# Altium PCB vme64x6U_ctrlc.PcbDoc (part 11 of 18) (continued)
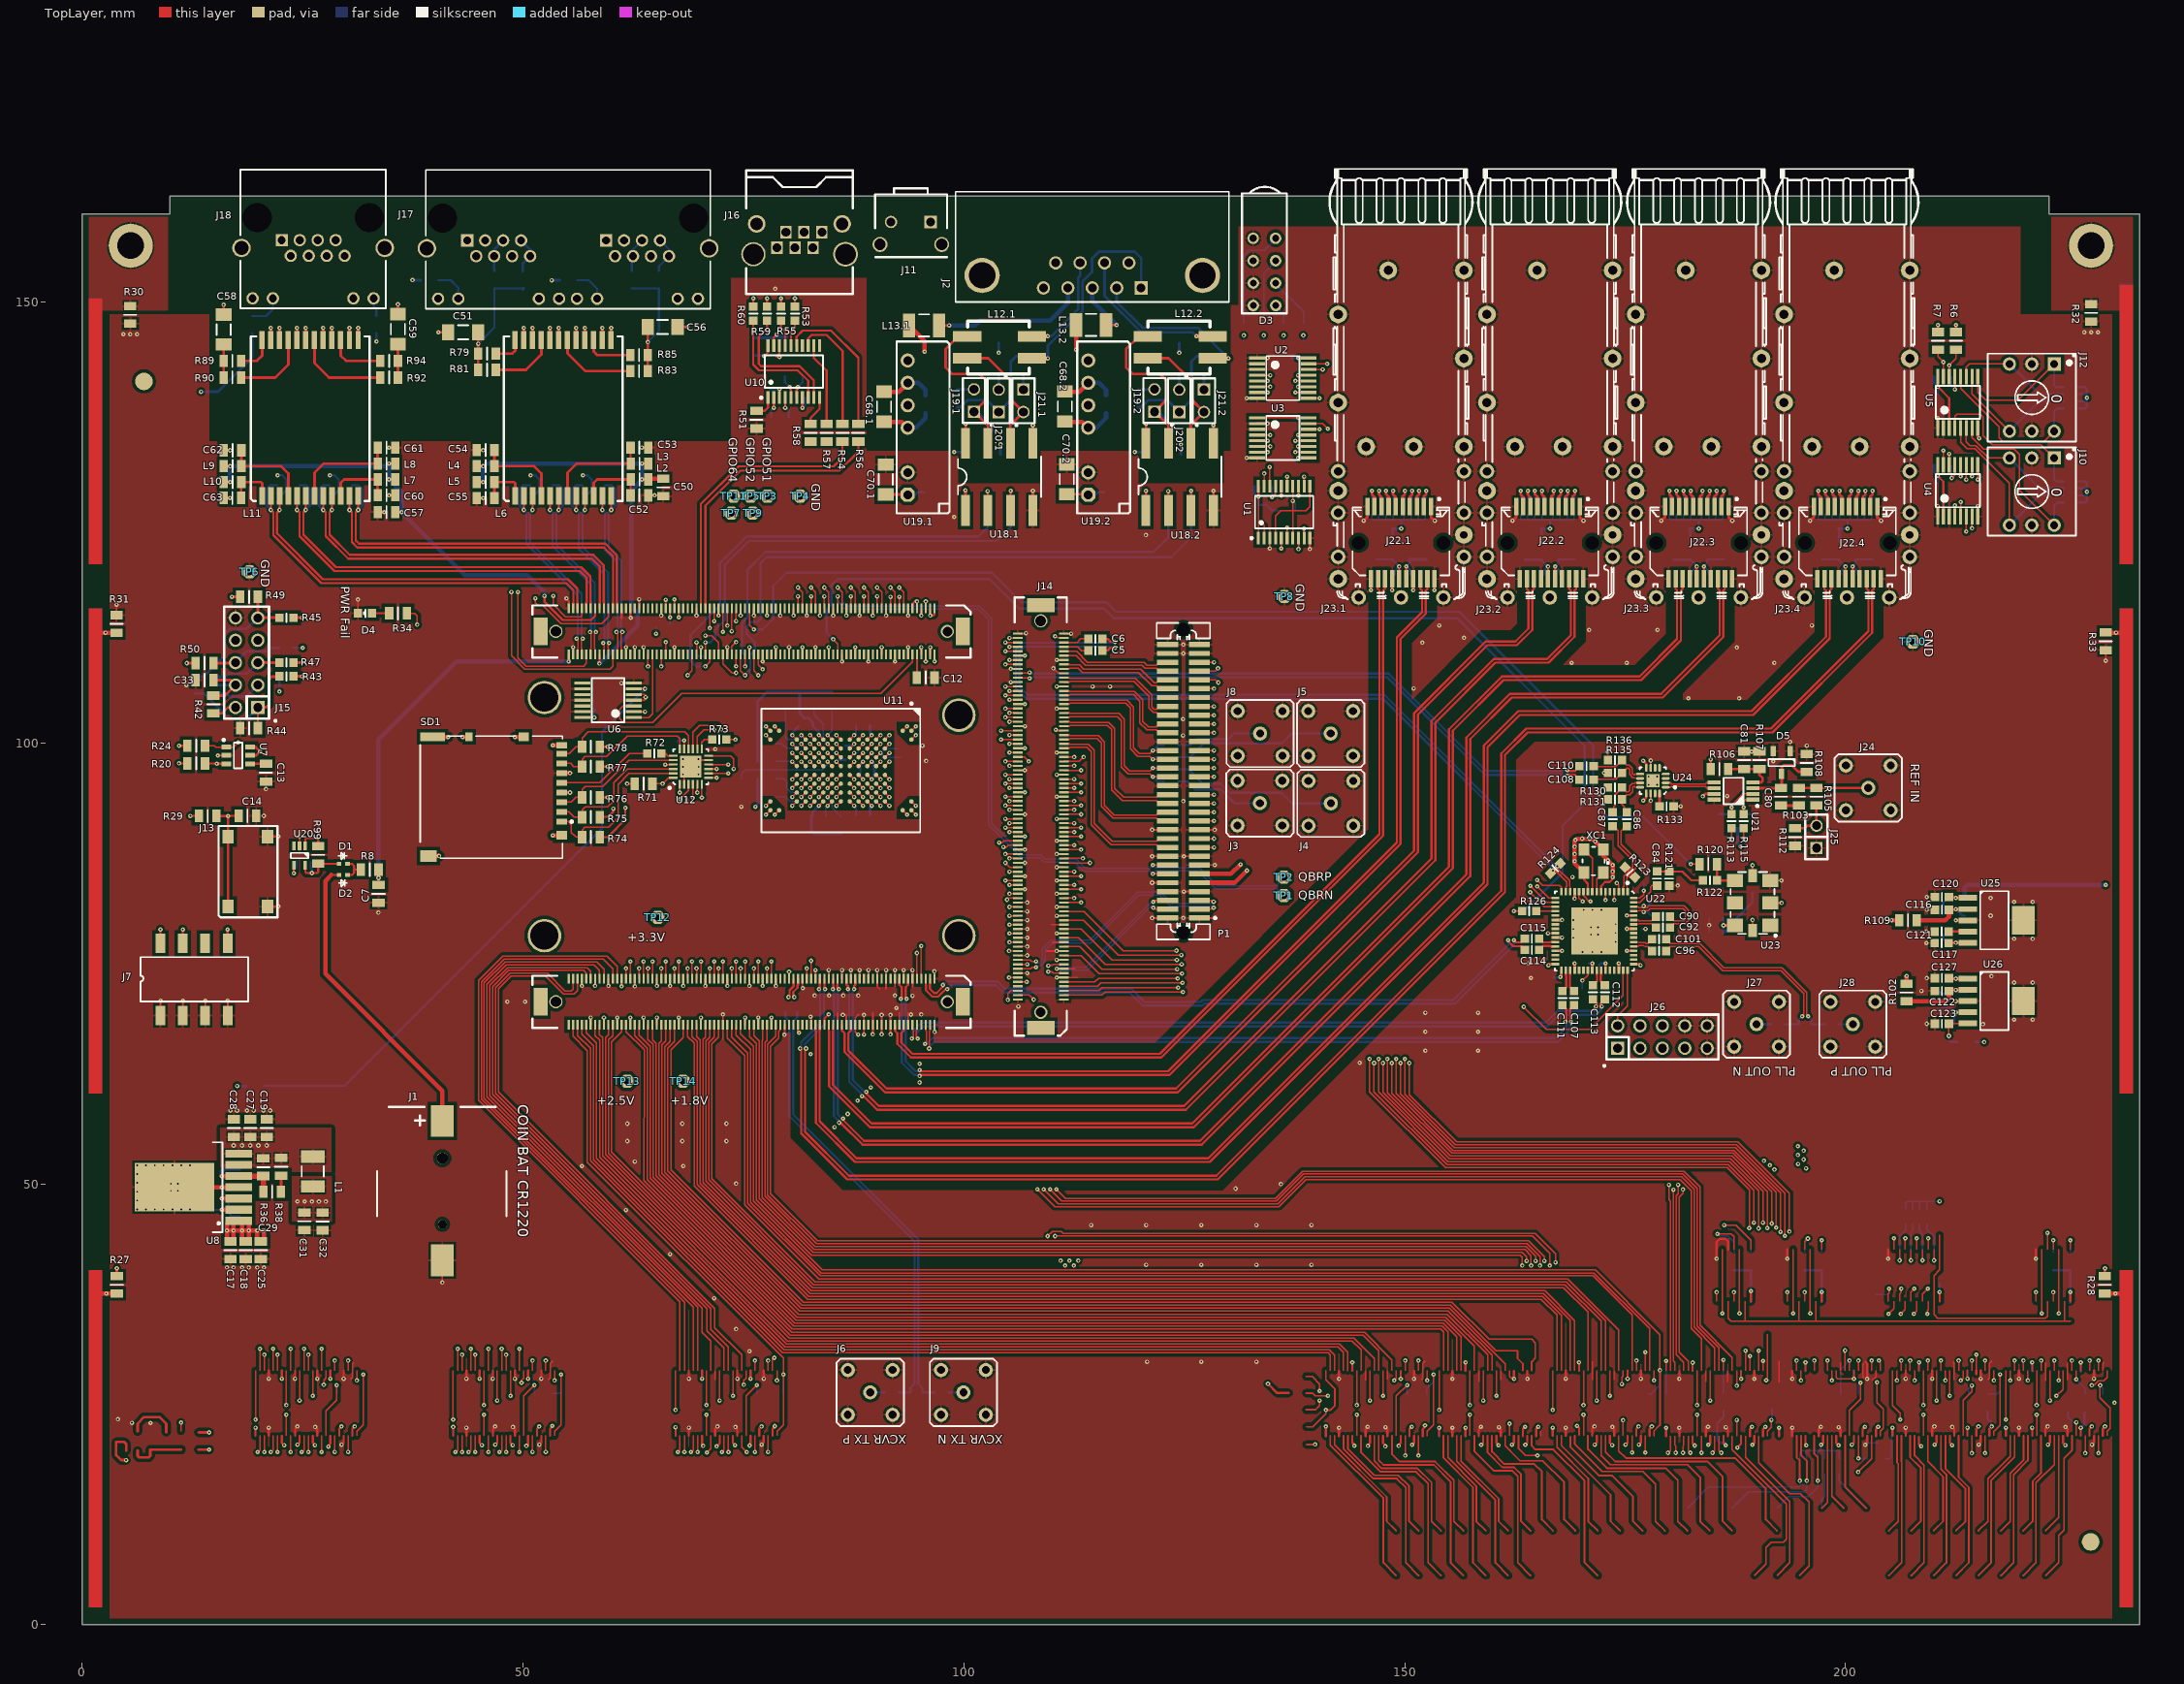
[diagram p0: TopLayer view]
## Design rules (kind name [scope] priority, off if disabled: settings) (continued)
DiffPairsRouting "Schematic Differential Pairs Routing_33" [InNet('SFP_RX_3.IO_N')] p923: maxlimit=0.5 minlimit=0.075 mostfreqgap=0.254 toplayer_prefgap=0.175 toplayer_minwidth=0.075 toplayer_maxwidth=0.5 toplayer_prefwidth=0.25 midlayer3_maxgap=0.254 midlayer3_minwidth=0.075 midlayer3_maxwidth=0.5 midlayer3_prefwidth=0.25 midlayer4_maxgap=0.254 midlayer4_minwidth=0.075 midlayer4_maxwidth=0.5 midlayer4_prefwidth=0.25 bottomlayer_prefgap=0.175 bottomlayer_minwidth=0.075 bottomlayer_maxwidth=0.5 bottomlayer_prefwidth=0.25 maxuncoupledlength=12.7
DiffPairsRouting "Schematic Differential Pairs Routing_32" [InNet('SFP_RX_3.IO_P')] p924: maxlimit=0.5 minlimit=0.075 mostfreqgap=0.254 toplayer_prefgap=0.175 toplayer_minwidth=0.075 toplayer_maxwidth=0.5 toplayer_prefwidth=0.25 midlayer3_maxgap=0.254 midlayer3_minwidth=0.075 midlayer3_maxwidth=0.5 midlayer3_prefwidth=0.25 midlayer4_maxgap=0.254 midlayer4_minwidth=0.075 midlayer4_maxwidth=0.5 midlayer4_prefwidth=0.25 bottomlayer_prefgap=0.175 bottomlayer_minwidth=0.075 bottomlayer_maxwidth=0.5 bottomlayer_prefwidth=0.25 maxuncoupledlength=12.7
DiffPairsRouting "Schematic Differential Pairs Routing_10" [InNet('FPLLIN_P')] p925: maxlimit=0.5 minlimit=0.075 mostfreqgap=0.254 toplayer_prefgap=0.175 toplayer_minwidth=0.075 toplayer_maxwidth=0.5 toplayer_prefwidth=0.25 midlayer3_maxgap=0.254 midlayer3_minwidth=0.075 midlayer3_maxwidth=0.5 midlayer3_prefwidth=0.3 midlayer4_maxgap=0.254 midlayer4_minwidth=0.075 midlayer4_maxwidth=0.5 midlayer4_prefwidth=0.3 bottomlayer_prefgap=0.175 bottomlayer_minwidth=0.075 bottomlayer_maxwidth=0.5 bottomlayer_prefwidth=0.25 maxuncoupledlength=12.7
DiffPairsRouting "Schematic Differential Pairs Routing_5" [InNet('GTP_REF1.IO_N')] p926: maxlimit=0.5 minlimit=0.075 mostfreqgap=0.4 toplayer_minwidth=0.075 toplayer_maxwidth=0.5 toplayer_prefwidth=0.3 midlayer3_maxgap=0.254 midlayer3_prefgap=0.254 midlayer3_minwidth=0.075 midlayer3_maxwidth=0.5 midlayer3_prefwidth=0.3 midlayer4_maxgap=0.254 midlayer4_prefgap=0.254 midlayer4_minwidth=0.075 midlayer4_maxwidth=0.5 midlayer4_prefwidth=0.3 bottomlayer_minwidth=0.075 bottomlayer_maxwidth=0.5 bottomlayer_prefwidth=0.3 maxuncoupledlength=12.7
DiffPairsRouting "Schematic Differential Pairs Routing_4" [InNet('GTP_REF1.IO_P')] p927: maxlimit=0.5 minlimit=0.075 mostfreqgap=0.4 toplayer_minwidth=0.075 toplayer_maxwidth=0.5 toplayer_prefwidth=0.3 midlayer3_maxgap=0.254 midlayer3_prefgap=0.254 midlayer3_minwidth=0.075 midlayer3_maxwidth=0.5 midlayer3_prefwidth=0.3 midlayer4_maxgap=0.254 midlayer4_prefgap=0.254 midlayer4_minwidth=0.075 midlayer4_maxwidth=0.5 midlayer4_prefwidth=0.3 bottomlayer_minwidth=0.075 bottomlayer_maxwidth=0.5 bottomlayer_prefwidth=0.3 maxuncoupledlength=12.7
DiffPairsRouting "Schematic Differential Pairs Routing_3" [InNet('GTP_REF2.IO_N')] p928: maxlimit=0.5 minlimit=0.075 mostfreqgap=0.4 toplayer_minwidth=0.075 toplayer_maxwidth=0.5 toplayer_prefwidth=0.3 midlayer3_maxgap=0.254 midlayer3_prefgap=0.254 midlayer3_minwidth=0.075 midlayer3_maxwidth=0.5 midlayer3_prefwidth=0.3 midlayer4_maxgap=0.254 midlayer4_prefgap=0.254 midlayer4_minwidth=0.075 midlayer4_maxwidth=0.5 midlayer4_prefwidth=0.3 bottomlayer_minwidth=0.075 bottomlayer_maxwidth=0.5 bottomlayer_prefwidth=0.3 maxuncoupledlength=12.7
DiffPairsRouting "Schematic Differential Pairs Routing_2" [InNet('GTP_REF2.IO_P')] p929: maxlimit=0.5 minlimit=0.075 mostfreqgap=0.4 toplayer_minwidth=0.075 toplayer_maxwidth=0.5 toplayer_prefwidth=0.3 midlayer3_maxgap=0.254 midlayer3_prefgap=0.254 midlayer3_minwidth=0.075 midlayer3_maxwidth=0.5 midlayer3_prefwidth=0.3 midlayer4_maxgap=0.254 midlayer4_prefgap=0.254 midlayer4_minwidth=0.075 midlayer4_maxwidth=0.5 midlayer4_prefwidth=0.3 bottomlayer_minwidth=0.075 bottomlayer_maxwidth=0.5 bottomlayer_prefwidth=0.3 maxuncoupledlength=12.7
DiffPairsRouting "Schematic Differential Pairs Routing_93" [InNet('SFP_TX_0.IO_P')] p930: maxlimit=0.5 minlimit=0.075 mostfreqgap=0.254 toplayer_prefgap=0.175 toplayer_minwidth=0.075 toplayer_maxwidth=0.5 toplayer_prefwidth=0.25 midlayer3_maxgap=0.254 midlayer3_minwidth=0.075 midlayer3_maxwidth=0.5 midlayer3_prefwidth=0.25 midlayer4_maxgap=0.254 midlayer4_minwidth=0.075 midlayer4_maxwidth=0.5 midlayer4_prefwidth=0.25 bottomlayer_prefgap=0.175 bottomlayer_minwidth=0.075 bottomlayer_maxwidth=0.5 bottomlayer_prefwidth=0.25 maxuncoupledlength=12.7
DiffPairsRouting "Schematic Differential Pairs Routing_71" [InNet('ETH0_J1_N')] p931: maxlimit=0.254 minlimit=0.075 mostfreqgap=0.254 toplayer_minwidth=0.075 toplayer_maxwidth=0.5 toplayer_prefwidth=0.3 midlayer3_minwidth=0.075 midlayer3_maxwidth=0.5 midlayer3_prefwidth=0.3 midlayer4_minwidth=0.075 midlayer4_maxwidth=0.5 midlayer4_prefwidth=0.3 bottomlayer_minwidth=0.075 bottomlayer_maxwidth=0.5 bottomlayer_prefwidth=0.3 maxuncoupledlength=12.7
DiffPairsRouting "Schematic Differential Pairs Routing_70" [InNet('ETH0_J1_P')] p932: maxlimit=0.254 minlimit=0.075 mostfreqgap=0.254 toplayer_minwidth=0.075 toplayer_maxwidth=0.5 toplayer_prefwidth=0.3 midlayer3_minwidth=0.075 midlayer3_maxwidth=0.5 midlayer3_prefwidth=0.3 midlayer4_minwidth=0.075 midlayer4_maxwidth=0.5 midlayer4_prefwidth=0.3 bottomlayer_minwidth=0.075 bottomlayer_maxwidth=0.5 bottomlayer_prefwidth=0.3 maxuncoupledlength=12.7
DiffPairsRouting "Schematic Differential Pairs Routing_69" [InNet('ETH0_J2_N')] p933: maxlimit=0.254 minlimit=0.075 mostfreqgap=0.254 toplayer_minwidth=0.075 toplayer_maxwidth=0.5 toplayer_prefwidth=0.3 midlayer3_minwidth=0.075 midlayer3_maxwidth=0.5 midlayer3_prefwidth=0.3 midlayer4_minwidth=0.075 midlayer4_maxwidth=0.5 midlayer4_prefwidth=0.3 bottomlayer_minwidth=0.075 bottomlayer_maxwidth=0.5 bottomlayer_prefwidth=0.3 maxuncoupledlength=12.7
DiffPairsRouting "Schematic Differential Pairs Routing_68" [InNet('ETH0_J2_P')] p934: maxlimit=0.254 minlimit=0.075 mostfreqgap=0.254 toplayer_minwidth=0.075 toplayer_maxwidth=0.5 toplayer_prefwidth=0.3 midlayer3_minwidth=0.075 midlayer3_maxwidth=0.5 midlayer3_prefwidth=0.3 midlayer4_minwidth=0.075 midlayer4_maxwidth=0.5 midlayer4_prefwidth=0.3 bottomlayer_minwidth=0.075 bottomlayer_maxwidth=0.5 bottomlayer_prefwidth=0.3 maxuncoupledlength=12.7
DiffPairsRouting "Schematic Differential Pairs Routing_67" [InNet('ETH0_J3_N')] p935: maxlimit=0.254 minlimit=0.075 mostfreqgap=0.254 toplayer_minwidth=0.075 toplayer_maxwidth=0.5 toplayer_prefwidth=0.3 midlayer3_minwidth=0.075 midlayer3_maxwidth=0.5 midlayer3_prefwidth=0.3 midlayer4_minwidth=0.075 midlayer4_maxwidth=0.5 midlayer4_prefwidth=0.3 bottomlayer_minwidth=0.075 bottomlayer_maxwidth=0.5 bottomlayer_prefwidth=0.3 maxuncoupledlength=12.7
DiffPairsRouting "Schematic Differential Pairs Routing_66" [InNet('ETH0_J3_P')] p936: maxlimit=0.254 minlimit=0.075 mostfreqgap=0.254 toplayer_minwidth=0.075 toplayer_maxwidth=0.5 toplayer_prefwidth=0.3 midlayer3_minwidth=0.075 midlayer3_maxwidth=0.5 midlayer3_prefwidth=0.3 midlayer4_minwidth=0.075 midlayer4_maxwidth=0.5 midlayer4_prefwidth=0.3 bottomlayer_minwidth=0.075 bottomlayer_maxwidth=0.5 bottomlayer_prefwidth=0.3 maxuncoupledlength=12.7
DiffPairsRouting "Schematic Differential Pairs Routing_65" [InNet('ETH0_J4_N')] p937: maxlimit=0.254 minlimit=0.075 mostfreqgap=0.254 toplayer_minwidth=0.075 toplayer_maxwidth=0.5 toplayer_prefwidth=0.3 midlayer3_minwidth=0.075 midlayer3_maxwidth=0.5 midlayer3_prefwidth=0.3 midlayer4_minwidth=0.075 midlayer4_maxwidth=0.5 midlayer4_prefwidth=0.3 bottomlayer_minwidth=0.075 bottomlayer_maxwidth=0.5 bottomlayer_prefwidth=0.3 maxuncoupledlength=12.7
DiffPairsRouting "Schematic Differential Pairs Routing_64" [InNet('ETH0_J4_P')] p938: maxlimit=0.254 minlimit=0.075 mostfreqgap=0.254 toplayer_minwidth=0.075 toplayer_maxwidth=0.5 toplayer_prefwidth=0.3 midlayer3_minwidth=0.075 midlayer3_maxwidth=0.5 midlayer3_prefwidth=0.3 midlayer4_minwidth=0.075 midlayer4_maxwidth=0.5 midlayer4_prefwidth=0.3 bottomlayer_minwidth=0.075 bottomlayer_maxwidth=0.5 bottomlayer_prefwidth=0.3 maxuncoupledlength=12.7
DiffPairsRouting "Schematic Differential Pairs Routing_42" [InNet('SFP_RX_0.IO_P')] p939: maxlimit=0.5 minlimit=0.075 mostfreqgap=0.254 toplayer_prefgap=0.175 toplayer_minwidth=0.075 toplayer_maxwidth=0.5 toplayer_prefwidth=0.25 midlayer3_maxgap=0.254 midlayer3_minwidth=0.075 midlayer3_maxwidth=0.5 midlayer3_prefwidth=0.25 midlayer4_maxgap=0.254 midlayer4_minwidth=0.075 midlayer4_maxwidth=0.5 midlayer4_prefwidth=0.25 bottomlayer_prefgap=0.175 bottomlayer_minwidth=0.075 bottomlayer_maxwidth=0.5 bottomlayer_prefwidth=0.25 maxuncoupledlength=12.7
DiffPairsRouting "Schematic Differential Pairs Routing_7" [InNet('GTP_REF0.IO_N')] p940: maxlimit=0.5 minlimit=0.075 mostfreqgap=0.4 toplayer_minwidth=0.075 toplayer_maxwidth=0.5 toplayer_prefwidth=0.3 midlayer3_maxgap=0.254 midlayer3_prefgap=0.254 midlayer3_minwidth=0.075 midlayer3_maxwidth=0.5 midlayer3_prefwidth=0.3 midlayer4_maxgap=0.254 midlayer4_prefgap=0.254 midlayer4_minwidth=0.075 midlayer4_maxwidth=0.5 midlayer4_prefwidth=0.3 bottomlayer_minwidth=0.075 bottomlayer_maxwidth=0.5 bottomlayer_prefwidth=0.3 maxuncoupledlength=12.7
DiffPairsRouting "Schematic Differential Pairs Routing_6" [InNet('GTP_REF0.IO_P')] p941: maxlimit=0.5 minlimit=0.075 mostfreqgap=0.4 toplayer_minwidth=0.075 toplayer_maxwidth=0.5 toplayer_prefwidth=0.3 midlayer3_maxgap=0.254 midlayer3_prefgap=0.254 midlayer3_minwidth=0.075 midlayer3_maxwidth=0.5 midlayer3_prefwidth=0.3 midlayer4_maxgap=0.254 midlayer4_prefgap=0.254 midlayer4_minwidth=0.075 midlayer4_maxwidth=0.5 midlayer4_prefwidth=0.3 bottomlayer_minwidth=0.075 bottomlayer_maxwidth=0.5 bottomlayer_prefwidth=0.3 maxuncoupledlength=12.7
DiffPairsRouting "Schematic Differential Pairs Routing" [InNet('ZDO_P')] p942: maxlimit=0.5 minlimit=0.075 mostfreqgap=0.254 toplayer_prefgap=0.175 toplayer_minwidth=0.075 toplayer_maxwidth=0.5 toplayer_prefwidth=0.15 midlayer3_maxgap=0.254 midlayer3_minwidth=0.075 midlayer3_maxwidth=0.5 midlayer3_prefwidth=0.3 midlayer4_maxgap=0.254 midlayer4_minwidth=0.075 midlayer4_maxwidth=0.5 midlayer4_prefwidth=0.3 bottomlayer_prefgap=0.175 bottomlayer_minwidth=0.075 bottomlayer_maxwidth=0.5 bottomlayer_prefwidth=0.15 maxuncoupledlength=12.7
DiffPairsRouting [All] p943: maxlimit=0.5 minlimit=0.075 mostfreqgap=0.15 toplayer_minwidth=0.075 toplayer_maxwidth=0.5 toplayer_prefwidth=0.25 midlayer3_minwidth=0.075 midlayer3_maxwidth=0.5 midlayer3_prefwidth=0.25 midlayer4_minwidth=0.075 midlayer4_maxwidth=0.5 midlayer4_prefwidth=0.25 bottomlayer_minwidth=0.075 bottomlayer_maxwidth=0.5 bottomlayer_prefwidth=0.25 maxuncoupledlength=12.7
FabricationTestPointUsage TestPointUsage [All] p1: valid=0 allowmultiple=FALSE
FabricationTestpoint Testpoint [All] p1: side=3 testpointundercomponent=TRUE minsize=1.016 maxsize=2.54 preferedsize=1.524 minholesize=0.508 maxholesize=1.016 preferedholesize=0.813 testpointgrid=0.025 allowsidetop=TRUE allowsidebottom=TRUE usegrid=TRUE gridtolerance=0
HoleSize [All] p1: absolutevalues=TRUE maxlimit=70 minlimit=0.2 maxpercent=80.000 minpercent=20.000
MinimumSolderMaskSliver [All] p1: minsoldermaskwidth=0.1
NetAntennae NetAntennae_1 [InNetClass('EMMC_RFU')] p1: netantennaetolerance=4
NetAntennae [All] p2: netantennaetolerance=0
PlaneClearance PlaneClearance_1 [WithinRoom('U_fpga_cyc10lp')] p1: clearance=0.2
PlaneClearance [All] p2: clearance=0.25
PlaneConnect PlaneConnect_1 [isVia] p1: planeconnectstyle=Direct reliefexpansion=0.508 reliefentries=4 reliefconductorwidth=0.254 reliefairgap=0.254
PlaneConnect [All] p2: planeconnectstyle=Relief reliefexpansion=0.5 reliefentries=4 reliefconductorwidth=0.25 reliefairgap=0.15
PolygonConnect [isVia] p1: connectstyle=Direct reliefconductorwidth=0.2 reliefentries=4 polygonreliefangle="90 Angle" airgapwidth=0.254
PolygonConnect PolygonConnect_2 [InNet('GND') or InNet('CAN_GND')] p2: connectstyle=Relief reliefconductorwidth=0.25 reliefentries=4 polygonreliefangle="90 Angle" airgapwidth=0.25
PolygonConnect PolygonConnect_1 [All] p3: connectstyle=Relief reliefconductorwidth=0.25 reliefentries=4 polygonreliefangle="90 Angle" airgapwidth=0.15
RoomDefinition U_power_REG104GA_3V3 [InComponentClass('U_power_REG104GA_3V3')] p1: confinementstyle=ConfineIn formatcopy=TRUE lockcomponents=FALSE outline 208.475,74.725 222.05,74.725 222.05,84.05 208.475,84.05
RoomDefinition U_power_REG104GA_1V8 [InComponentClass('U_power_REG104GA_1V8')] p2: confinementstyle=ConfineIn formatcopy=TRUE lockcomponents=FALSE outline 208.523,66.75 222.05,66.75 222.05,74.725 208.523,74.725
RoomDefinition U_Si5395_CLK_GEN [InComponentClass('U_Si5395_CLK_GEN')] p3: confinementstyle=ConfineIn formatcopy=TRUE lockcomponents=FALSE outline 161.25,100.45 161.25,62.95 207.175,62.95 207.175,100.45
RoomDefinition U_SFPplusConn_3 [InComponentClass('U_SFPplusConn_3')] p4: confinementstyle=ConfineIn formatcopy=TRUE lockcomponents=FALSE outline 191.75,100.625 208.625,100.625 208.625,165.325 191.75,165.325
RoomDefinition U_SFPplusConn_2 [InComponentClass('U_SFPplusConn_2')] p5: confinementstyle=ConfineIn formatcopy=TRUE lockcomponents=FALSE outline 174.875,100.625 191.75,100.625 191.75,165.325 174.875,165.325
RoomDefinition U_SFPplusConn_1 [InComponentClass('U_SFPplusConn_1')] p6: confinementstyle=ConfineIn formatcopy=TRUE lockcomponents=FALSE outline 158,100.425 174.875,100.425 174.875,165.325 158,165.325
RoomDefinition U_SFPplusConn_0 [InComponentClass('U_SFPplusConn_0')] p7: confinementstyle=ConfineIn formatcopy=TRUE lockcomponents=FALSE outline 141.125,100.425 158,100.425 158,165.325 141.125,165.325
RoomDefinition U_Power_3V3_LDO [InComponentClass('U_Power_3V3_LDO')] p8: confinementstyle=ConfineIn formatcopy=TRUE lockcomponents=FALSE outline 27.925,85.1 27.925,89.475 23.175,89.475 23.175,85.1
RoomDefinition 3V3_POWER [InComponentClass('3V3_POWER')] p9: confinementstyle=ConfineIn formatcopy=TRUE lockcomponents=FALSE outline 3.585,40.31 29.91,40.31 29.91,63.075 3.585,63.075
RoomDefinition U_can_phy2 [InComponentClass('U_can_phy2')] p10: confinementstyle=ConfineIn formatcopy=TRUE lockcomponents=FALSE outline 109.55,122.325 130.025,122.325 130.025,149.475 109.55,149.475
RoomDefinition U_can_phy1 [InComponentClass('U_can_phy1')] p11: confinementstyle=ConfineIn formatcopy=TRUE lockcomponents=FALSE outline 89.075,122.325 109.55,122.325 109.55,149.475 89.075,149.475
RoomDefinition U_sdcard_emmc [InComponentClass('U_sdcard_emmc')] p12: confinementstyle=ConfineIn formatcopy=TRUE lockcomponents=FALSE outline 37.825,86.3 96.45,86.3 96.45,106.1 37.825,106.1
RoomDefinition U_uart_adm3222 [InComponentClass('U_uart_adm3222')] p13: confinementstyle=ConfineIn formatcopy=TRUE lockcomponents=FALSE outline 74.035,132.81 89.125,132.81 89.125,165.435 74.035,165.435
RoomDefinition U_ethernet_dual_100mbe_ext_magn [InComponentClass('U_ethernet_dual_100mbe_ext_magn')] p14: confinementstyle=ConfineIn formatcopy=TRUE lockcomponents=FALSE outline 37.21,124.435 72.985,124.435 72.985,166.41 37.21,166.41
RoomDefinition U_ethernet_1gbe_ext_magn [InComponentClass('U_ethernet_1gbe_ext_magn')] p15: confinementstyle=ConfineIn formatcopy=TRUE lockcomponents=FALSE outline 14.635,124.56 37.16,124.56 37.16,166.41 14.635,166.41
RoutingCorners [All] p1: cornerstyle=45-Degree minsetback=0.5 maxsetback=0.5
RoutingVias RoutingVias_2 [WithinRoom('U_fpga_cyc10lp')] p1: holewidth=0.2 width=0.4 viastyle="Through Hole" minholewidth=0.2 minwidth=0.4 maxholewidth=1 maxwidth=1.2
RoutingVias [All] p2 off: holewidth=0.711 width=1.27 viastyle="Through Hole" minholewidth=0.711 minwidth=1.27 maxholewidth=0.711 maxwidth=1.27
RoutingVias RoutingVias_1 [All] p3: holewidth=0.4 width=0.8 viastyle="Through Hole" minholewidth=0.1 minwidth=0.2 maxholewidth=70 maxwidth=100
SilkToSilkClearance [All] p1: silktosilkclearance=0
SilkToSolderMaskClearance SilkscreenOverComponentPads [IsPad] p1: minsilkscreentomaskgap=0.05 clearancetoexposedcopper=TRUE
SolderMaskExpansion [All] p1: expansion=0.05
Width Width_2 [WithinRoom('U_fpga_cyc10lp')] p1: maxlimit=1 minlimit=0.1 preferedwidth=0.1
Width [All] p2 off: maxlimit=0.254 minlimit=0.254 preferedwidth=0.254
Width Width_1 [All] p3: maxlimit=5 minlimit=0.15 preferedwidth=0.3
18 further rules are at their usual default settings.

## Classes and differential pairs
net class EMMC_RFU: EMMC_RFU1 EMMC_RFU2 EMMC_RFU3 EMMC_RFU4 EMMC_RFU5 EMMC_RFU6 EMMC_RFU7 EMMC_RFU8 EMMC_RFU9 EMMC_RFU10 EMMC_RFU11 EMMC_RFU12 EMMC_RFU13 EMMC_RFU14 EMMC_RFU15 EMMC_RFU16 EMMC_RFU17 EMMC_RFU18 EMMC_RFU19 EMMC_RFU20 EMMC_RFU21 EMMC_RFU22 EMMC_RFU23 EMMC_RFU24 EMMC_RFU25 EMMC_RFU26 EMMC_RFU27 EMMC_RFU28 EMMC_RFU29 EMMC_RFU30 EMMC_RFU31 EMMC_RFU32 EMMC_RFU33 EMMC_RFU34 EMMC_RFU35 EMMC_RFU36 EMMC_RFU37 EMMC_RFU38 EMMC_RFU39 EMMC_RFU40 EMMC_RFU41 EMMC_RFU42 EMMC_RFU43 EMMC_RFU44 EMMC_RFU45 EMMC_RFU46 EMMC_RFU47 EMMC_RFU48 EMMC_RFU49 EMMC_RFU50 EMMC_RFU51 EMMC_RFU52 EMMC_RFU53 EMMC_RFU54 SDEPAD1 SDEPAD2 SDEPAD3 SDEPAD4 SDEPAD5 SDEPAD6
component class U_power_REG104GA_3V3: C13 C39 C55 C62 C118 C119 U25
component class U_power_REG104GA_1V8: C12 C42 C44 C45 C122 C124 R135 R136 U26
component class U_Si5395_CLK_GEN: C11 C22 C23 C24 C30 C32 C33 C36 C37 C38 C50 C51 C58 C59 C82 C83 C84 C85 C86 C87 C90 C91 C96 C97 C98 C99 C100 C102 C104 C105 C106 C107 C108 C109 C110 C113 C114 C115 D5 J3 J24 J25 J26 J28 R5 R27 R32 R102 R103 R104 R106 R107 R108 R109 R110 R112 R113 R115 R116 R117 R119 R120 R121 R122 R123 R124 R125 R126 R127 R128 R129 R130 R131 R133 R134 R135 R136 R138 U14 U21 U22 U24 XC1
channel class SFPplusConn: U_SFPplusConn_0 U_SFPplusConn_1 U_SFPplusConn_2 U_SFPplusConn_3
component class U_SFPplusConn_3: C73.4 C74.4 C75.4 C76.4 C77.4 J22.4 J23.4 L14.4 L15.4 R100.4 R101.4
component class U_SFPplusConn_2: C73.3 C74.3 C75.3 C76.3 C77.3 J22.3 J23.3 L14.3 L15.3 R100.3 R101.3
component class U_SFPplusConn_1: C73.2 C74.2 C75.2 C76.2 C77.2 J22.2 J23.2 L13.2 L14.2 R100.2 R101.2
component class U_SFPplusConn_0: C73.1 C74.1 C75.1 C76.1 C77.1 J22.1 J23.1 L12.1 L15.1 R99 R100.1
component class U_Power_3V3_LDO: C57 C72 R99 U9
component class main: C1 C2 C3 C4 C5 C6 C7 C8 C9 C10 C11 C12 C13 C14 C15 D1 D2 D3 D4 J1 J3 J4 J5 J6 J7 J8 J9 J10 J12 J15 J17 J18 P1 R1 R2 R4 R5 R6 R7 R8 R9 R10 R11 R12 R13 R14 R15 R17 R18 R19 R20 R22 R24 R25 R26 R27 R28 R29 R30 R31 R32 R33 R34 R36 R38 R40 TP1 TP2 TP3 TP4 TP5 TP6 TP7 TP8 TP9 TP10 TP11 TP12 TP13 TP14 U1 U2 U3 U4 U5 U6 U7
channel class can_phy: U_can_phy1 U_can_phy2
component class U_can_phy2: C64.2 C65.2 C66.2 C67.2 C68.2 C69.2 C70.2 J19.2 J20.2 J21.2 L12.2 L13.2 R95.2 R96.2 R97.2 R98.2 U17.2 U18.2 U19.2
component class U_can_phy1: C64.1 C65.1 C66.1 C67.1 C68.1 C69.1 C70.1 J19.1 J20.1 J21.1 L12.1 L13.1 R95.1 R96.1 R97.1 R98.1 U17.1 U18.1 U19.1
net class PowerLines: VD_TMP
component class 3V3_POWER: C16 C17 C18 C19 C20 C21 C22 C23 C24 C25 C26 C27 C28 C29 C30 C31 C32 L1 R35 R36 R37 R38 R39 U8
component class U_sdcard_emmc: C39 C40 C41 C42 C43 C44 C45 C46 C47 C48 C49 R47 R52 R55 R56 R57 R59 R60 R61 R63 R64 R68 R71 R72 R73 R74 R76 R77 R78 SD1 U11 U12
component class U_jtag: C33 J15 R41 R42 R44 R45 R46 R47 R48 R49 R50 R72 U9
component class U_uart_adm3222: C34 C35 C36 C37 C38 J1 R51 R52 R53 R54 R55 R56 R57 R58 R59 R60 U10
component class U_ethernet_dual_100mbe_ext_magn: C50 C51 C52 C53 C54 C55 C56 J17 L2 L3 L4 L5 L6 R68 R79 R80 R81 R82 R83 R84 R85 R86 R88 U13 U14
net class IO_AR[22..1]: IO_AR1 IO_AR2 IO_AR3 IO_AR4 IO_AR5 IO_AR6 IO_AR7 IO_AR8 IO_AR9 IO_AR10 IO_AR11 IO_AR12 IO_AR13 IO_AR14 IO_AR15 IO_AR16 IO_AR17 IO_AR18 IO_AR19 IO_AR20 IO_AR21 IO_AR22
net class IO_AL[22..1]: IO_AL1 IO_AL2 IO_AL3 IO_AL4 IO_AL5 IO_AL6 IO_AL7 IO_AL8 IO_AL9 IO_AL10 IO_AL11 IO_AL12 IO_AL13 IO_AL14 IO_AL15 IO_AL16 IO_AL17 IO_AL18 IO_AL19 IO_AL20 IO_AL21 IO_AL22 IO_AL25
component class U_ethernet_1gbe_ext_magn: C57 C58 C59 C60 C61 C62 C63 J18 L7 L8 L9 L10 L11 R68 R71 R72 R73 R85 R86 U15 U16
net class IO_CR[40..1]: IO_CR1 IO_CR2 IO_CR3 IO_CR4 IO_CR5 IO_CR6 IO_CR7 IO_CR8 IO_CR9 IO_CR10 IO_CR11 IO_CR12 IO_CR13 IO_CR14 IO_CR15 IO_CR16 IO_CR17 IO_CR18 IO_CR19 IO_CR20 IO_CR21 IO_CR22 IO_CR23 IO_CR24 IO_CR25 IO_CR26 IO_CR27 IO_CR28 IO_CR29 IO_CR30 IO_CR31 IO_CR32 IO_CR33 IO_CR34 IO_CR35 IO_CR36 IO_CR37 IO_CR38 IO_CR39 IO_CR40
net class IO_CL[40..1]: IO_CL1 IO_CL2 IO_CL3 IO_CL4 IO_CL5 IO_CL6 IO_CL7 IO_CL8 IO_CL9 IO_CL10 IO_CL11 IO_CL12 IO_CL13 IO_CL14 IO_CL15 IO_CL16 IO_CL17 IO_CL18 IO_CL19 IO_CL20 IO_CL21 IO_CL22 IO_CL23 IO_CL24 IO_CL25 IO_CL26 IO_CL27 IO_CL28 IO_CL29 IO_CL30 IO_CL31 IO_CL32 IO_CL33 IO_CL34 IO_CL35 IO_CL36 IO_CL37 IO_CL38 IO_CL39 IO_CL40
net class IO_CR_FX[16..1]: IO_CR_FX1 IO_CR_FX2 IO_CR_FX3 IO_CR_FX4 IO_CR_FX5 IO_CR_FX6 IO_CR_FX7 IO_CR_FX8 IO_CR_FX9 IO_CR_FX10 IO_CR_FX11 IO_CR_FX12 IO_CR_FX13 IO_CR_FX14 IO_CR_FX15 IO_CR_FX16
net class IO_CL_FX[16..1]: IO_CL_FX1 IO_CL_FX2 IO_CL_FX3 IO_CL_FX4 IO_CL_FX5 IO_CL_FX6 IO_CL_FX7 IO_CL_FX8 IO_CL_FX9 IO_CL_FX10 IO_CL_FX11 IO_CL_FX12 IO_CL_FX13 IO_CL_FX14 IO_CL_FX15 IO_CL_FX16
net class IO_BR[36..1]: IO_BR1 IO_BR2 IO_BR3 IO_BR4 IO_BR5 IO_BR6 IO_BR7 IO_BR8 IO_BR9 IO_BR10 IO_BR11 IO_BR12 IO_BR13 IO_BR14 IO_BR15 IO_BR16 IO_BR17 IO_BR18 IO_BR19 IO_BR20 IO_BR21 IO_BR22 IO_BR23 IO_BR24 IO_BR25 IO_BR26 IO_BR27 IO_BR28 IO_BR29 IO_BR30 IO_BR31 IO_BR32 IO_BR33 IO_BR34 IO_BR35 IO_BR36
net class IO_BL[38..1]: IO_BL1 IO_BL2 IO_BL3 IO_BL4 IO_BL5 IO_BL6 IO_BL7 IO_BL8 IO_BL9 IO_BL10 IO_BL11 IO_BL12 IO_BL13 IO_BL14 IO_BL15 IO_BL16 IO_BL17 IO_BL18 IO_BL19 IO_BL20 IO_BL21 IO_BL22 IO_BL23 IO_BL24 IO_BL25 IO_BL26 IO_BL27 IO_BL28 IO_BL29 IO_BL30 IO_BL31 IO_BL32 IO_BL33 IO_BL34 IO_BL35 IO_BL36 IO_BL37 IO_BL38
net class BOOT_MODE[1..0]: BOOT_MODE0 BOOT_MODE1
component class U_cyc_v_som_A: J14 R40
differential pair IN2: +IN2_P -IN2_N
differential pair MGT_TX8.IO: +MGT_TX8.IO_P -MGT_TX8.IO_N
differential pair MGT_RX8.IO: +MGT_RX8.IO_P -MGT_RX8.IO_N
differential pair QBR: +QBR_P -QBR_N
differential pair Q9: +Q9_P -Q9_N
differential pair OUT9: +OUT9_P -OUT9_N
differential pair MGT_TX6: +MGT_TX6_P -MGT_TX6_N
differential pair TX_LEMO: +TX_LEMO_P -TX_LEMO_N
differential pair AQ1: +AQ1_P -AQ1_N
differential pair GTP_REF2.IO: +GTP_REF2.IO_P -GTP_REF2.IO_N
differential pair GTP_REF1.IO: +GTP_REF1.IO_P -GTP_REF1.IO_N
differential pair GTP_REF0.IO: +GTP_REF0.IO_P -GTP_REF0.IO_N
differential pair ZDIN: +ZDIN_P -ZDIN_N
differential pair OUT6: +OUT6_P -OUT6_N
differential pair OUT4: +OUT4_P -OUT4_N
differential pair OUT2: +OUT2_P -OUT2_N
differential pair IN1: +IN1_P -IN1_N
differential pair FPLLIN: +FPLLIN_P -FPLLIN_N
differential pair ZDO: +ZDO_P -ZDO_N
differential pair CMP_CLK: +CMP_CLK_P -CMP_CLK_N
differential pair SFP_TX_0.IO: +SFP_TX_0.IO_P -SFP_TX_0.IO_N
differential pair SFP_RX_0.IO: +SFP_RX_0.IO_P -SFP_RX_0.IO_N
differential pair SFP_TX_3.IO: +SFP_TX_3.IO_P -SFP_TX_3.IO_N
differential pair SFP_TX_2.IO: +SFP_TX_2.IO_P -SFP_TX_2.IO_N
differential pair SFP_TX_1.IO: +SFP_TX_1.IO_P -SFP_TX_1.IO_N
differential pair SFP_RX_3.IO: +SFP_RX_3.IO_P -SFP_RX_3.IO_N
differential pair SFP_RX_2.IO: +SFP_RX_2.IO_P -SFP_RX_2.IO_N
differential pair SFP_RX_1.IO: +SFP_RX_1.IO_P -SFP_RX_1.IO_N
differential pair ETH0_J3: +ETH0_J3_P -ETH0_J3_N
differential pair ETH0_J2: +ETH0_J2_P -ETH0_J2_N
differential pair ETH0_J4: +ETH0_J4_P -ETH0_J4_N
differential pair ETH0_J1: +ETH0_J1_P -ETH0_J1_N
differential pair ETH1B_TX: +ETH1B_TX_P -ETH1B_TX_N
differential pair ETH1B_RX: +ETH1B_RX_P -ETH1B_RX_N
differential pair ETH1A_TX: +ETH1A_TX_P -ETH1A_TX_N
differential pair ETH1A_RX: +ETH1A_RX_P -ETH1A_RX_N
differential pair ETH0_D: +ETH0_D_P -ETH0_D_N
differential pair ETH0_C: +ETH0_C_P -ETH0_C_N
differential pair ETH0_B: +ETH0_B_P -ETH0_B_N
differential pair ETH0_A: +ETH0_A_P -ETH0_A_N

## Components (designator, comment, footprint, x,y, rotation, side; value= is the part's Value field where it differs from the comment)
C1 "0.1uF" CAPC2012N 133.4,126 r270 bottom
C2 "0.1uF" CAPC2012N 136.2,143.675 r180 bottom
C3 "0.1uF" CAPC2012N 136.2,136.875 r180 bottom
C4 "0.1uF" CAPC2012N 210.45,128.575 r270 bottom
C5 "100nF" CAPC1608N 114.9,110.475 r0 top
C6 "100nF" CAPC1608N 114.9,111.8 r0 top
C7 "22uF" CAPC2012N 33.61,82.885 r90 top
C8 "100nF" CAPC1608N 79.775,70.275 r90 bottom
C9 "100nF" CAPC1608N 81.075,70.275 r90 bottom
C10 "0.1uF" CAPC2012N 210.45,138.625 r270 bottom
C11 "0.1uF" CAPC2012N 17.75,98.6 r0 bottom
C12 "DNP" CAPC2012N 95.66,107.41 r180 top
C13 "270pF" CAPC2012N 20.85,96.625 r270 top
C14 "0.1uF" CAPC2012N 18.735,91.735 r0 top
C15 "0.1uF" CAPC2012N 58.1,104.8 r270 bottom
C16 "DNP" CAPC2012N 14.5,48.05 r90 bottom
C17 "22uF" CAPC2012N 16.825,42.475 r270 top
C18 "22uF" CAPC2012N 18.55,42.475 r270 top
C19 "0.1uF" CAPC2012N 20.95,56.325 r90 top
C20 "22uF" CAPC2012N 17.2,56.325 r90 bottom
C21 "22uF" CAPC2012N 19.075,56.325 r90 bottom
C22 "22uF" CAPC2012N 18.535,42.485 r90 bottom
C23 "22uF" CAPC2012N 20.26,42.485 r90 bottom
C24 "22uF" CAPC2012N 16.81,42.485 r90 bottom
C25 "0.1uF" CAPC2012N 20.25,42.475 r90 top
C26 "22uF" CAPC2012N 20.95,56.325 r270 bottom
C27 "22uF" CAPC2012N 19.075,56.325 r270 top
C28 "22uF" CAPC2012N 17.2,56.325 r270 top
C29 "120pF" CAPC2012N 21.535,49.11 r180 top
C30 "DNP" CAPC2012N 17.785,47.285 r270 bottom
C31 "22uF" CAPC2012N 25.2,45.75 r90 top
C32 "22uF" CAPC2012N 27.25,45.725 r90 top
C33 "0.1uF" CAPC2012N 13.875,107.125 r0 top
C34 "0.1uF" CAPC2012N 76.985,140.185 r180 bottom
C35 "0.1uF" CAPC2012N 82.985,139.16 r0 bottom
C36 "0.1uF" CAPC2012N 79.135,137.01 r180 bottom
C37 "0.1uF" CAPC2012N 80.71,141.56 r180 bottom
C38 "0.1uF" CAPC2012N 79.86,145.085 r90 bottom
C39 "100nF" CAPC1608N 66.75,96.875 r0 bottom
C40 "100nF" CAPC1608N 67.425,99.275 r270 bottom
C41 "100nF" CAPC1608N 93.525,99.7 r0 bottom
C42 "1uF" CAPC2012N 93.7,97.95 r180 bottom
C43 "100nF" CAPC1608N 88.55,102 r180 bottom
C44 "100nF" CAPC1608N 89.05,96.9 r180 bottom
C45 "100nF" CAPC1608N 88.55,91.8 r180 bottom
C46 "100nF" CAPC1608N 82.075,101.9 r180 bottom
C47 "100nF" CAPC1608N 86.575,98.875 r270 bottom
C48 "100nF" CAPC1608N 81.9,91.775 r180 bottom
C49 "100nF" CAPC1608N 54.375,95.475 r90 bottom
C50 "1uF" CAPC2012N 65.9,128.975 r90 top
C51 "1nF; 2kV" CAPC3216N 43.2,146.575 r180 top value=1nF
C52 "1uF" CAPC2012N 63.2,128.075 r180 top
C53 "1uF" CAPC2012N 63.2,133.5 r180 top
C54 "1uF" CAPC2012N 45.75,133.2 r0 top
C55 "1uF" CAPC2012N 45.75,127.775 r0 top
C56 "1nF; 2kV" CAPC3216N 65.835,147.185 r180 top value=1nF
C57 "1uF" CAPC2012N 34.51,126.185 r0 top
C58 "1nF; 2kV" CAPC3216N 16.035,146.885 r270 top value=1nF
C59 "1nF; 2kV" CAPC3216N 35.81,146.935 r270 top value=1nF
C60 "1uF" CAPC2012N 34.51,128.085 r180 top
C61 "1uF" CAPC2012N 34.51,133.485 r180 top
C62 "1uF" CAPC2012N 17.06,133.185 r0 top
C63 "1uF" CAPC2012N 17.035,127.785 r0 top
C64.1 "1nF; 2kV" CAPC3216N 103.95,143.625 r270 bottom value=1nF (schematic designator C64)
C64.2 "1nF; 2kV" CAPC3216N 124.425,143.625 r270 bottom value=1nF (schematic designator C64)
C65.1 "0.1uF" CAPC2012N 95.65,138.4 r90 bottom (schematic designator C65)
C65.2 "0.1uF" CAPC2012N 116.2,138.375 r90 bottom (schematic designator C65)
C66.1 "0.1uF" CAPC2012N 100.175,126.625 r90 bottom (schematic designator C66)
C66.2 "0.1uF" CAPC2012N 120.65,126.45 r90 bottom (schematic designator C66)
C67.1 "0.1uF" CAPC2012N 100.2,134 r90 bottom (schematic designator C67)
C67.2 "0.1uF" CAPC2012N 120.675,134 r90 bottom (schematic designator C67)
C68.1 "47uF" CAPC3216N 90.95,138.125 r90 top (schematic designator C68)
C68.2 "47uF" CAPC3216N 111.45,138.15 r90 top (schematic designator C68)
C69.1 "0.1uF" CAPC2012N 95.45,129.425 r270 bottom (schematic designator C69)
C69.2 "0.1uF" CAPC2012N 115.925,129.425 r270 bottom (schematic designator C69)
C70.1 "47uF" CAPC3216N 91.15,129.875 r270 top (schematic designator C70)
C70.2 "47uF" CAPC3216N 111.675,129.9 r270 top (schematic designator C70)
C71 "100nF" CAPC1608N 24.3,87.35 r270 bottom
C72 "1uF" CAPC2012N 25.95,87.45 r270 bottom
C73.1 "100nF" CAPC1608N 147.75,124.3 r0 bottom (schematic designator C73)
C73.2 "100nF" CAPC1608N 164.625,124.3 r0 bottom (schematic designator C73)